# Altium PCB MMB_Controller_Board.pcbdoc (part 1 of 3) (continued)
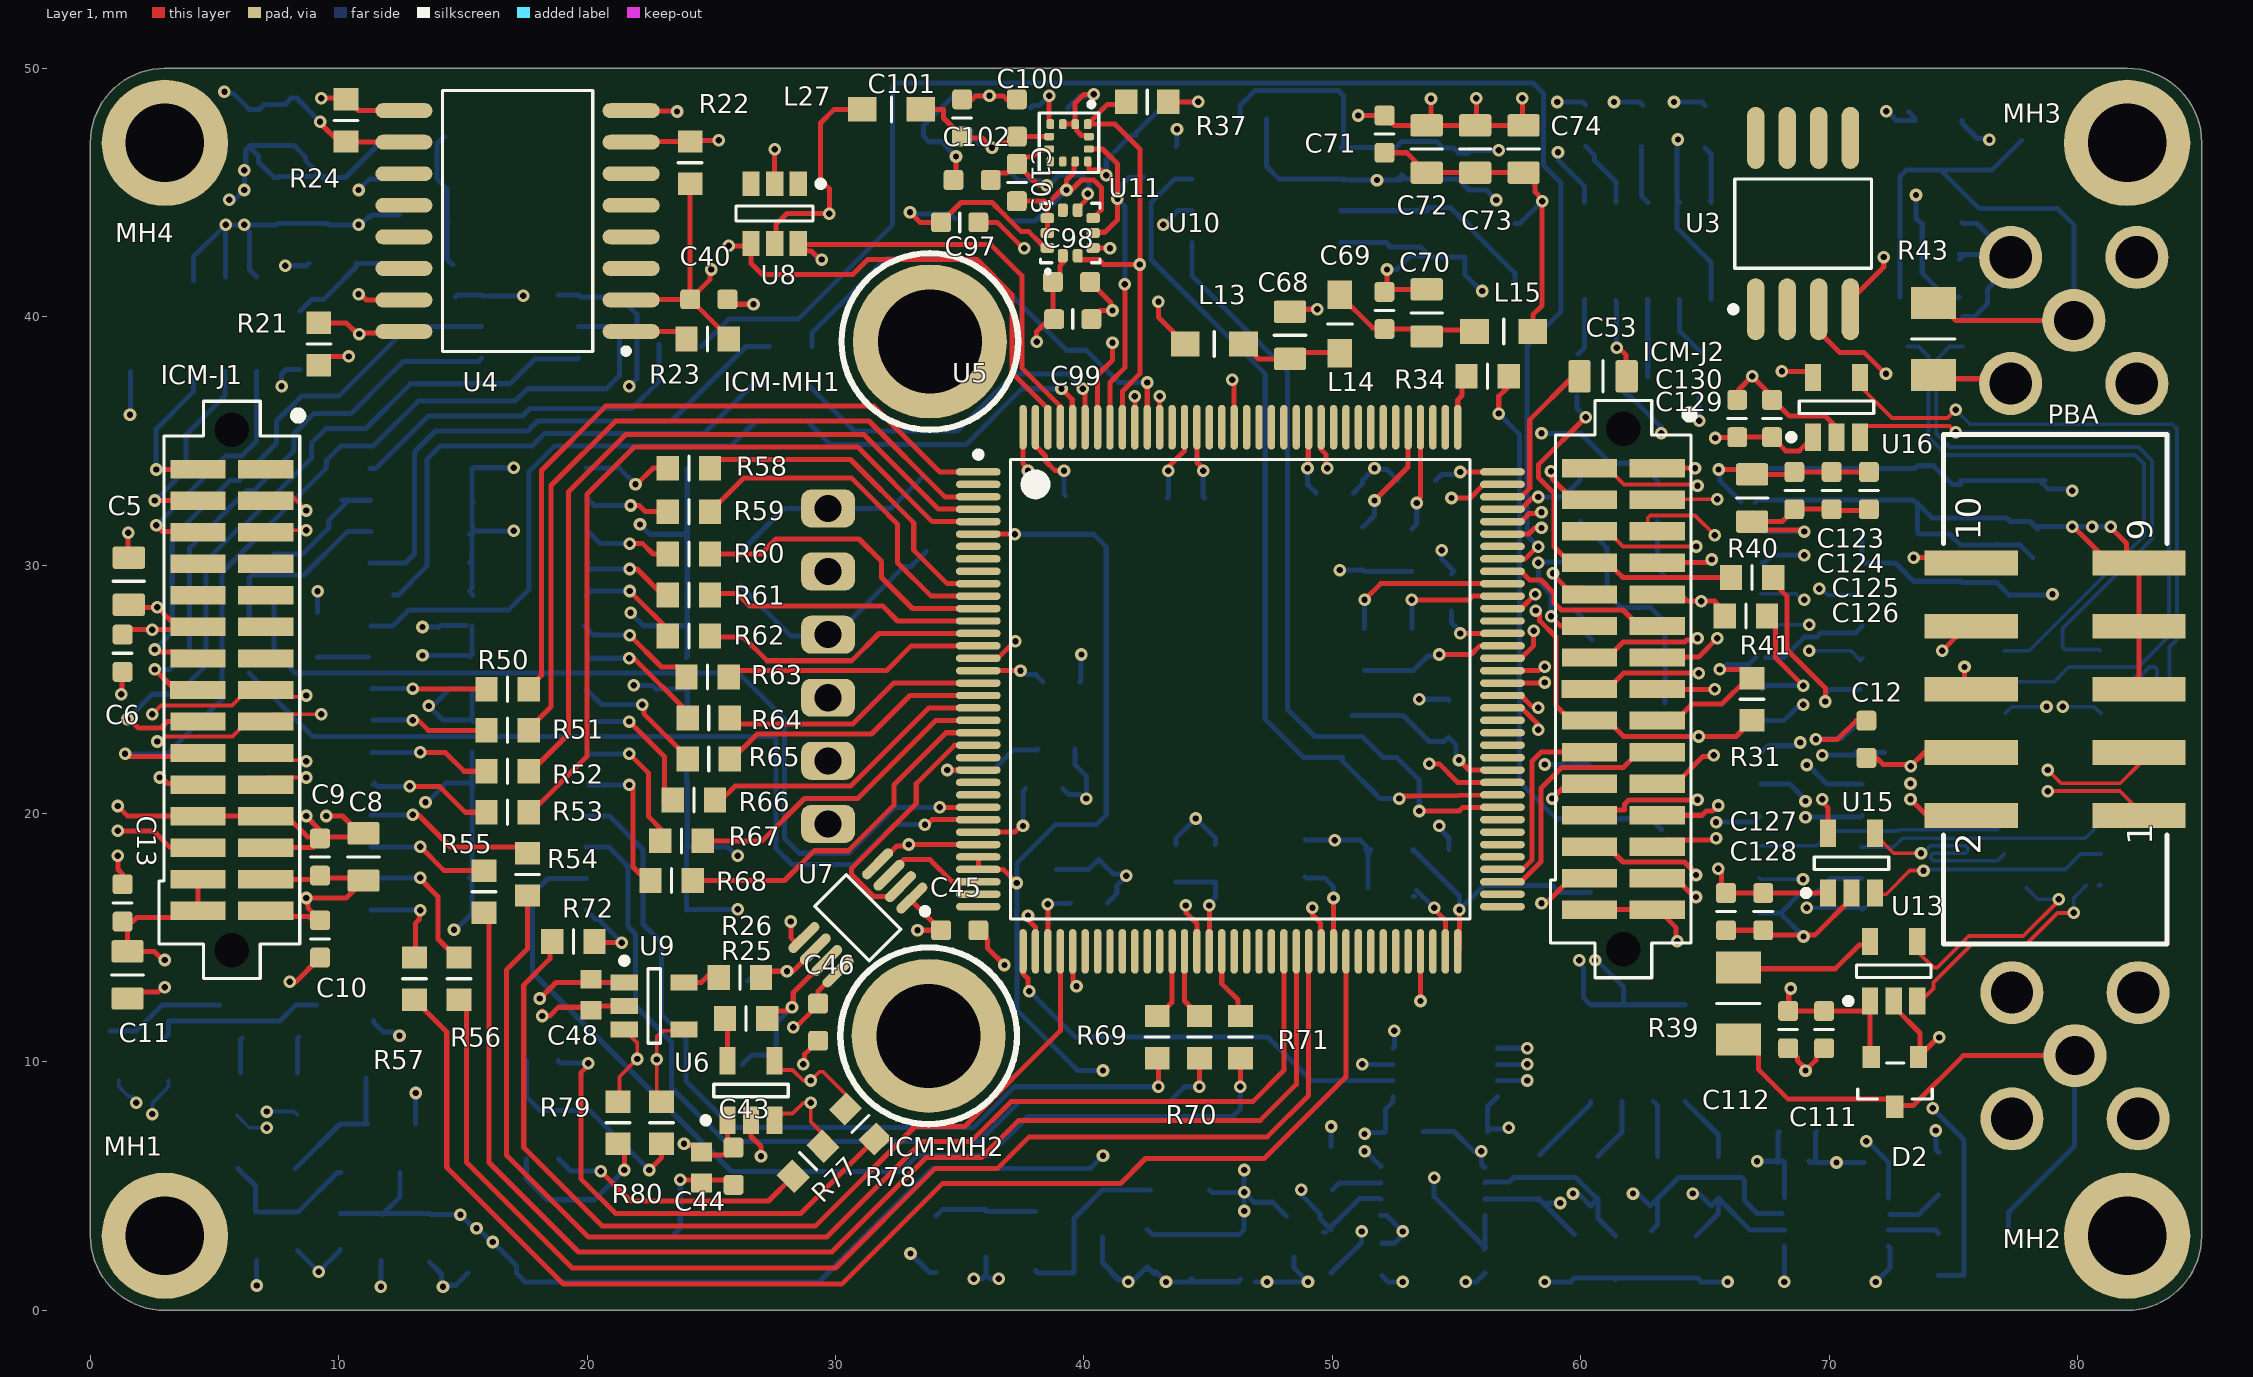
[diagram p0: Layer 1 view]
## Components (designator, comment, footprint, x,y, rotation, side; value= is the part's Value field where it differs from the comment)
C1 "0.1uF_603_50V" CAPC_0603 56.15,2 r90 bottom
C2 "0.1uF_603_50V" CAPC_0603 52,1.9 r90 bottom
C3 "0.1uF_603_50V" CAPC_0603 68.7,5.95 r180 bottom
C4 "0.1uF_603_50V" CAPC_0603 71.9,5.95 r0 bottom
C5 "10uF_805_10V" CAPC_0805 1.55,29.35 r270 top
C6 "0.1uF_603_50V" CAPC_0603 1.3,26.45 r90 top
C7 "0.1uF_603_50V" CAPC_0603 1.3,26.45 r90 bottom
C8 "10uF_805_10V" CAPC_0805 11,18.25 r270 top
C9 "0.1uF_603_50V" CAPC_0603 9.25,18.25 r270 top
C10 "0.1uF_603_50V" CAPC_0603 9.25,14.95 r90 top
C11 "10uF_805_10V" CAPC_0805 1.5,13.5 r90 top
C12 "0.1uF_603_50V" CAPC_0603 71.501,22.987 r270 top
C13 "0.1uF_603_50V" CAPC_0603 1.3,16.4 r270 top
C40 "0.1uF_603_50V" CAPC_0603 24.9,40.7 r0 top
C41 "0.1uF_603_50V" CAPC_0603 26.2,29.9 r270 bottom
C42 "10uF_1206_16V" CAPC_1206 33.655,32.385 r270 bottom
C43 "0.1uF_603_50V" CAPC_0603 25.9,5.8 r90 top
C44 "10nF" CAPC1608X90X35LL10T15 24.6,5.75 r90 top
C45 "0.1uF_603_50V" CAPC_0603 35,15.3 r180 top
C46 "0.1uF_603_50V" CAPC_0603 29.3,11.6 r90 top
C47 "0.1uF_603_50V" CAPC_0603 68.7,7.2 r180 bottom
C48 "10nF" CAPC1608X90X35LL10T15 20.15,12.7 r90 top
C49 "0.1uF_603_50V" CAPC_0603 38.9,22.6 r180 bottom
C50 "0.1uF_603_50V" CAPC_0603 40.6,18.9 r90 bottom
C51 "10uF_805_10V" CAPC_0805 38.9,18.7 r90 bottom
C52 "2.2uF_805_16V" CAPC_0805 52.3,16.8 r0 bottom
C53 "2.2uF_805_16V" CAPC_0805 60.9,37.6 r180 top
C54 "10uF_805_10V" CAPC_0805 52.3,18.7 r0 bottom
C55 "0.1uF_603_50V" CAPC_0603 45.3,18 r270 bottom
C56 "0.1uF_603_50V" CAPC_0603 43.7,18 r270 bottom
C57 "0.1uF_603_50V" CAPC_0603 39.1,25.3 r180 bottom
C58 "0.1uF_603_50V" CAPC_0603 40.2,16.4 r180 bottom
C59 "0.1uF_603_50V" CAPC_0603 38.5,32.8 r180 bottom
C60 "0.1uF_603_50V" CAPC_0603 53.4,33.4 r0 bottom
C61 "0.1uF_603_50V" CAPC_0603 54.7,17.8 r270 bottom
C62 "0.1uF_603_50V" CAPC_0603 48.9,18.2 r90 bottom
C63 "0.1uF_603_50V" CAPC_0603 54.7,23.8 r90 bottom
C64 "0.1uF_603_50V" CAPC_0603 54.8,28.9 r90 bottom
C65 "0.1uF_603_50V" CAPC_0603 50.1,32.9 r0 bottom
C66 "0.1uF_603_50V" CAPC_0603 44.1,32.7 r0 bottom
C67 "0.1uF_603_50V" CAPC_0603 38.4,21 r0 bottom
C68 "10uF_805_10V" CAPC_0805 48.3,39.25 r270 top
C69 "0.1uF_603_50V" CAPC_0603 52.1,40.25 r270 top
C70 "10uF_805_10V" CAPC_0805 53.8,40.15 r270 top
C71 "0.1uF_603_50V" CAPC_0603 52.1,47.35 r270 top
C72 "10uF_805_10V" CAPC_0805 53.8,46.75 r270 top
C73 "10uF_805_10V" CAPC_0805 55.75,46.75 r270 top
C74 "10uF_805_10V" CAPC_0805 57.7,46.75 r270 top
C75 "10uF_805_10V" CAPC_0805 9.75,42.15 r0 bottom
C76 "0.1uF_603_50V" CAPC_0603 13.2,45.55 r0 bottom
C77 "10uF_805_10V" CAPC_0805 13.4,43.85 r0 bottom
C78 "0.1uF_603_50V" CAPC_0603 6.4,47.6 r270 bottom
C79 "10uF_805_10V" CAPC_0805 9.5,44.7 r90 bottom
C80 "10uF_805_10V" CAPC_0805 7.55,44.7 r90 bottom
C81 "10uF_805_10V" CAPC_0805 8.1,47.85 r270 bottom
C82 "10uF_805_10V" CAPC_0805 12.1,7.5 r180 bottom
C83 "0.1uF_603_50V" CAPC_0603 8.35,3.2 r90 bottom
C84 "10uF_805_10V" CAPC_0805 6.65,3 r90 bottom
C85 "0.1uF_603_50V" CAPC_0603 10.05,3.2 r90 bottom
C86 "10uF_805_10V" CAPC_0805 13.65,2.95 r90 bottom
C87 "10uF_805_10V" CAPC_0805 16.2,1.5 r0 bottom
C88 "10uF_805_10V" CAPC_0805 11.75,2.95 r90 bottom
C89 "10uF_805_10V" CAPC_0805 36.05,3.1 r90 bottom
C90 "0.1uF_603_50V" CAPC_0603 40.35,1.5 r180 bottom
C91 "10uF_805_10V" CAPC_0805 40.75,3.9 r90 bottom
C92 "0.1uF_603_50V" CAPC_0603 42.55,2.5 r90 bottom
C93 "10uF_805_10V" CAPC_0805 48.15,2.8 r90 bottom
C94 "10uF_805_10V" CAPC_0805 44.323,2.286 r90 bottom
C95 "10uF_805_10V" CAPC_0805 46.228,2.286 r90 bottom
C96 "0.1uF_603_50V" CAPC_0603 34.8,44.7 r270 bottom
C97 "1.0uF_603_25V" CAPC_0603 35,43.8 r180 top
C98 "0.1uF_603_50V" CAPC_0603 39.5,41.4 r180 top
C99 "1.0uF_603_25V" CAPC_0603 39.55,39.9 r180 top
C100 "0.1uF_603_50V" CAPC_0603 37.3,48 r270 top
C101 "1.0uF_603_25V" CAPC_0603 35.1,48 r270 top
C102 "0.1uF_603_50V" CAPC_0603 35.5,45.5 r0 top
C103 "1.0uF_603_25V" CAPC_0603 37.3,45.4 r90 top
C104 "0.1uF_603_50V" CAPC_0603 38.6,48.4 r0 bottom
C105 "0.1uF_603_50V" CAPC_0603 52.8,46.3 r90 bottom
C106 "0.1uF_603_50V" CAPC_0603 54.2,46.3 r90 bottom
C107 "1.0uF_603_25V" CAPC_0603 55.5,45.85 r90 bottom
C108 "0.1uF_603_50V" CAPC_0603 52.3,43.6 r90 bottom
C109 "1.0uF_603_25V" CAPC_0603 55.35,43.15 r90 bottom
C110 "10uF_805_10V" CAPC_0805 53.9,43.4 r90 bottom
C111 "1.0uF_603_25V" CAPC_0603 69.8,11.3 r90 top
C112 "1000pF_603_50V" CAPC_0603 68.35,11.3 r90 top
C113 "1000pF_603_50V" CAPC_0603 74.5,42.5 r180 bottom
C114 "1.0uF_603_25V" CAPC_0603 74.5,43.75 r180 bottom
C115 "10uF_805_10V" CAPC_0805 78.486,32.446 r90 bottom
C116 "0.1uF_603_50V" CAPC_0603 73.55,33.25 r90 bottom
C117 "0.1uF_603_50V" CAPC_0603 76.75,32.65 r90 bottom
C118 "0.1uF_603_50V" CAPC_0603 75.3,32.65 r90 bottom
C119 "10uF_805_10V" CAPC_0805 73.6,30.3 r270 bottom
C120 "0.1uF_603_50V" CAPC_0603 75.3,30.05 r270 bottom
C121 "0.1uF_603_50V" CAPC_0603 76.75,30.05 r270 bottom
C122 "0.1uF_603_50V" CAPC_0603 78.2,29.55 r270 bottom
C123 "10uF_805_10V" CAPC_0805 66.9,32.7 r270 top
C124 "0.1uF_603_50V" CAPC_0603 68.6,33 r270 top
C125 "0.1uF_603_50V" CAPC_0603 70.1,33 r270 top
C126 "0.1uF_603_50V" CAPC_0603 71.6,33 r270 top
C127 "1.0uF_603_25V" CAPC_0603 65.85,16.05 r90 top
C128 "1000pF_603_50V" CAPC_0603 67.35,16.05 r90 top
C129 "1.0uF_603_25V" CAPC_0603 67.7,35.9 r270 top
C130 "1000pF_603_50V" CAPC_0603 66.3,35.9 r270 top
C131 "0.1uF_603_50V" CAPC_0603 55.5,7.2 r0 bottom
C132 "0.1uF_603_50V" CAPC_0603 52.9,7.2 r180 bottom
C133 "10uF_805_10V" CAPC_0805 37.1,44.8 r90 bottom
C134 "10uF_805_10V" CAPC_0805 34.5,47.5 r0 bottom
D2 "SBAT54SLT1G" SOT-23 72.65,9.2 r270 top
D3 "SBAT54SLT1G" SOT-23 74.4,46.9 r270 bottom
ICM-J1 "SFM-115-X2-XXX-D-A" SFM-115-X2-XXX-D-A 5.7,24.972 r90 top locked
ICM-J2 "SFM-115-X2-XXX-D-A" SFM-115-X2-XXX-D-A 61.715,25.01 r90 top locked
ICM-MH1 "Keystone 4883" "Keystone 4883 solder" 33.8,39 r90 top
ICM-MH2 "Keystone 4883" "Keystone 4883 solder" 33.75,11.05 r90 top
ID0 "R_ZERO_805" RES_0603 53.2,26.6 r270 bottom
ID1 "R_ZERO_805" RES_0603 51.3,26.6 r270 bottom
ID2 "R_ZERO_805" RES_0603 53.2,30.6 r270 bottom net-tie
ID3 "R_ZERO_805" RES_0603 51.3,30.6 r270 bottom
J2 "SMA TRIG" "SMA Vertical 200LS" 79.9,10.25 r180 bottom
J3 "SMA TIME" "SMA Vertical 200LS" 79.85,39.85 r180 bottom
L13 "4.0A_Bead_0805" SMD-0805 45.25,38.9 r0 top
L14 "4.0A_Bead_0805" SMD-0805 50.3,39.7 r90 top
L15 "4.0A_Bead_0805" SMD-0805 56.9,39.4 r0 top
L16 "4.0A_Bead_0805" SMD-0805 8.4,39.3 r90 bottom
L17 "4.0A_Bead_0805" SMD-0805 13.4,42.1 r0 bottom
L18 "4.0A_Bead_0805" SMD-0805 13.1,47.25 r180 bottom
L19 "4.0A_Bead_0805" SMD-0805 11.4,10.5 r270 bottom
L20 "4.0A_Bead_0805" SMD-0805 7.125,5.7 r180 bottom
L21 "4.0A_Bead_0805" SMD-0805 11.3,5.55 r0 bottom
L22 "4.0A_Bead_0805" SMD-0805 34.05,2.65 r90 bottom
L23 "4.0A_Bead_0805" SMD-0805 38.05,2.8 r270 bottom
L24 "4.0A_Bead_0805" SMD-0805 43.85,4.85 r0 bottom
L27 "2.5A_Bead_0805" SMD-0805 32.25,48.35 r180 top
L28 "2.5A_Bead_0805" SMD-0805 57.25,42.55 r90 bottom
MH1 "Mounting Hole" "Mounting Pad #4 - Standoff"#1 3,3 r0 top
MH2 "Mounting Hole" "Mounting Pad #4 - Standoff"#2 81.85,3.15 r0 top
MH3 "Mounting Hole" "Mounting Pad #4 - Standoff"#1 82,47 r0 top
MH4 "Mounting Hole" "Mounting Pad #4 - Standoff"#1 3,47 r0 top
P1 "Interlink Bypass" 62100821021 62.3,10.35 r0 bottom
P2 "ICM BYPASS" 62101021021 4.15,39.75 r0 bottom
P6 "ICM FPGA" 62101021021 62.7,42.65 r0 bottom
P9 "MCU_SER =UART8" "Header Male 6 Vert" 29.7,25.93 r180 bottom
P10 "61000618221" 61000618221 61.9,23.2 r90 bottom
P11 "XTIO ICM" 45230-220230 69.3,25 r270 bottom
P12 "XTIO MCU 1" 45230-220230 13.332,25.01 r270 bottom
P13 "TRIG_SEL" 62100821021 79,19 r90 bottom
P14 "TIME_SEL" 62100821021 79,24.655 r270 bottom
P15 "XTIO MCU 2" 45230-220230 22,25 r270 bottom
P16 "LVDS TERM" 62100421021 7.15,11.65 r90 bottom
P17 "LVDS TERM" 62100421021 18.2,8.05 r180 bottom
P33 "62130621021" 62130621021 17.7,39.6 r90 bottom
PBA "61201020621" 61201020621 79.1,25 r90 top
R1 "R_243_603_1%" RES_0603 58.3,5.35 r270 bottom
R2 "R_4.99K_603_1%" RES_0603 59.75,2.15 r90 bottom
R3 "R_243_603_1%" RES_0603 60.7,5.35 r270 bottom
R4 "R_243_603_1%" RES_0603 63.1,5.35 r270 bottom
R5 "R_4.99K_603_1%" RES_0603 61.4,2.15 r90 bottom
R6 "R_243_603_1%" RES_0603 65.55,5.35 r270 bottom
R7 "R_4.99K_603_1%" RES_0603 63.05,2.15 r90 bottom
R8 "R_4.99K_603_1%" RES_0603 64.7,2.15 r90 bottom
R11 "R_28.0_603_1%" RES_0603 59.85,37.65 r270 bottom
R12 "R_28.0_603_1%" RES_0603 60.15,47.65 r270 bottom
R13 "R_28.0_603_1%" RES_0603 62.45,47.65 r270 bottom
R14 "R_28.0_603_1%" RES_0603 62.3,37.2 r180 bottom
R15 "R_28.0_603_1%" RES_0603 64.85,37.65 r270 bottom
R16 "R_28.0_603_1%" RES_0603 65,47.65 r270 bottom
R21 "R_3.00K_603_1%" RES_0603 9.2,38.9 r270 top
R22 "R_3.00K_603_1%" RES_0603 24.15,46.2 r270 top
R23 "R_3.00K_603_1%" RES_0603 24.85,39.1 r0 top
R24 "R_3.00K_603_1%" RES_0603 10.3,47.9 r270 top
R25 "R_28.0_603_1%" RES_0603 26.4,11.75 r0 top
R26 "R_28.0_603_1%" RES_0603 26.15,13.4 r0 top
R27 "R_100K_603_1%" RES_0603 49.95,2.4 r90 bottom
R28 "R_100K_603_1%" RES_0603 49.95,5.75 r270 bottom
R29 "R_100K_603_1%" RES_0603 74.4,5.5 r270 bottom
R30 "R_100K_603_1%" RES_0603 74.4,2.25 r90 bottom
R31 "R_10.0K_603_1%" RES_0603 66.9,24.6 r90 top value=10.0K
R33 "R_39.2_603_1%" RES_0603 63.1,32.6 r270 bottom
R34 "R_39.2_603_1%" RES_0603 56.25,37.6 r0 top
R35 "R_39.2_603_1%" RES_0603 60,32.6 r270 bottom
R36 "R_39.2_603_1%" RES_0603 59.75,29.05 r270 bottom
R37 "R_2.00K_603_1%" RES_0603 42.55,48.65 r180 top
R38 "R_2.00K_603_1%" RES_0603 42.1,46.5 r270 bottom
R39 "R_49.9_1206_1%" RES_1206 66.35,12.35 r90 top
R40 "R_28.0_603_1%" RES_0603 66.9,29.5 r0 top
R41 "R_28.0_603_1%" RES_0603 66.65,27.95 r180 top
R42 "R_28.0_603_1%" RES_0603 23.8,38.9 r0 bottom
R43 "R_49.9_1206_1%" RES_1206 74.2,39.1 r90 top
R44 "R_28.0_603_1%" RES_0603 7.4,29.6 r270 bottom
R45 "R_28.0_603_1%" RES_0603 6.4,26.5 r270 bottom
R46 "R_28.0_603_1%" RES_0603 28.2,38.8 r0 bottom
R47 "R_28.0_603_1%" RES_0603 28,37.3 r0 bottom
R48 "R_28.0_603_1%" RES_0603 28,35.8 r0 bottom
R49 "R_28.0_603_1%" RES_0603 9.15,27.25 r90 bottom
R50 "R_28.0_603_1%" RES_0603 16.8,25 r0 top
R51 "R_28.0_603_1%" RES_0603 16.8,23.35 r0 top
R52 "R_28.0_603_1%" RES_0603 16.8,21.7 r0 top
R53 "R_28.0_603_1%" RES_0603 16.8,20.05 r0 top
R54 "R_28.0_603_1%" RES_0603 17.6,17.55 r270 top
R55 "R_28.0_603_1%" RES_0603 15.85,16.85 r270 top
R56 "R_28.0_603_1%" RES_0603 14.85,13.35 r270 top
R57 "R_28.0_603_1%" RES_0603 13.05,13.35 r270 top
R58 "R_28.0_603_1%" RES_0603 24.1,33.9 r0 top
R59 "R_28.0_603_1%" RES_0603 24.1,32.15 r0 top
R60 "R_28.0_603_1%" RES_0603 24.1,30.45 r0 top
R61 "R_28.0_603_1%" RES_0603 24.1,28.8 r0 top
R62 "R_28.0_603_1%" RES_0603 24.1,27.15 r0 top
R63 "R_28.0_603_1%" RES_0603 24.85,25.5 r0 top
R64 "R_28.0_603_1%" RES_0603 24.9,23.85 r0 top
R65 "R_28.0_603_1%" RES_0603 24.9,22.2 r0 top
R66 "R_28.0_603_1%" RES_0603 24.3,20.55 r0 top
R67 "R_28.0_603_1%" RES_0603 23.8,18.9 r0 top
R68 "R_28.0_603_1%" RES_0603 23.4,17.3 r0 top
R69 "R_28.0_603_1%" RES_0603 42.95,11 r90 top
R70 "R_28.0_603_1%" RES_0603 44.65,11 r90 top
R71 "R_28.0_603_1%" RES_0603 46.3,11 r90 top
R72 "R_28.0_603_1%" RES_0603 19.45,14.85 r180 top
R73 "R_49.9_603_1%" RES_0603 5.9,8.7 r90 bottom
R74 "R_49.9_603_1%" RES_0603 8.35,8.7 r270 bottom
R75 "R_49.9_603_1%" RES_0603 1.15,10.1 r90 bottom
R76 "R_49.9_603_1%" RES_0603 3.15,10.1 r270 bottom
R77 "R_49.9_603_1%" RES_0603 28.9,6 r225 top
R78 "R_49.9_603_1%" RES_0603 31,7.5 r135 top
R79 "R_49.9_603_1%" RES_0603 21.25,7.55 r270 top
R80 "R_49.9_603_1%" RES_0603 23,7.55 r90 top
R301 "R_2.00K_603_1%" RES_0603 52.1,23.1 r270 bottom
R302 "R_2.00K_603_1%" RES_0603 50.4,23.1 r270 bottom
TP1 "PC TEST POINT MINI SMD" "Test Point SM" 26.4,9.95 r0 bottom
TP2 "PC TEST POINT MINI SMD" "Test Point SM" 26.4,13.1 r90 bottom
TP3 "PC TEST POINT MINI SMD" "Test Point SM" 77.216,3.048 r90 bottom
TP4 "PC TEST POINT MINI SMD" "Test Point SM" 23.622,3.048 r0 bottom
TP5 "PC TEST POINT MINI SMD" "Test Point SM" 78.05,46.65 r90 bottom
U1 "SN74LVC2T45QDCURQ1" TI-DGK8_N 54.05,4.8 r0 bottom
U2 "SN74LVC2T45QDCURQ1" TI-DGK8_N 70.3,3.55 r180 bottom
U3 "DS24B33S+T&R" W8+2_M 68.95,43.75 r90 top
U4 "S25FS512SAGMFV010" MICT-SF-16_N 17.2,43.85 r180 top
U5 "STM32H743ZIT6" STM-LQFP144_N 46.3,25 r0 top
U6 "DS90LV012ATMF" MF05A_N 26.6,8.85 r90 top
U7 "SN74LVC2T45QDCURQ1" TI-DGK8_N 30.9,15.8 r225 top
U8 "NUP4301MR6T1G" ONSC-SC-74-6-318F-05_V 27.55,44.15 r270 top
U9 "DS90LV012ATMF" MF05A_N 22.7,12.25 r0 top
U10 "LPS22HDTR" HLGA-10L 39.45,43.37 r90 top
U11 "LIS3MDLTR" VFLGA-12 39.4,47 r270 top
U12 "ADXL355BEZ-RL7" E-14-1 47.35,44.9 r0 bottom
U13 "DS90LV012ATMF" MF05A_N 72.6,13.65 r90 top
U14 "DS90LV011ATMF" MF05A_N 74.05,39.85 r180 bottom
U15 "DS90LV012ATMF" MF05A_N 70.9,18 r90 top
U16 "DS90LV012ATMF" MF05A_N 70.3,36.35 r90 top
U17 "SN74LVC2T45QDCURQ1" TI-DGK8_N 54.55,9.575 r0 bottom

## Footprints (in the part's own frame and the unit in brackets; to place one, negate y for a bottom-side part, rotate by r counter-clockwise, add the part's x,y. Pads: shape width x height; smd on the part's side, far side on the other; paste and mask are expansions set on the pad)
45230-220230 [mil] "Shrouded header, 5x2, 452 series, through hole"
  rect 29x100 smd: 1(-350,-80) 2(-350,80) 3(-300,-80) 4(-300,80) 5(-250,-80) 6(-250,80) 7(-200,-80) 8(-200,80) 9(-150,-80) 10(-150,80) 11(-100,-80) 12(-100,80) 13(-50,-80) 14(-50,80) 15(0,-80) 16(0,80) 17(50,-80) 18(50,80) 19(100,-80) 20(100,80) 21(150,-80) 22(150,80) 23(200,-80) 24(200,80) 25(250,-80) 26(250,80) 27(300,-80) 28(300,80) 29(350,-80) 30(350,80)
  body extent -721,-115 721,115, height 272
61000618221 [mm] "Pin Header, pitch 2.54 mm, SMD, Vertical, single row, 6p"
  rect 1x3 smd: 1(-6.35,-1.5) 2(-3.81,1.5) 3(-1.27,-1.5) 4(1.27,1.5) 5(3.81,-1.5) 6(6.35,1.5)
  silkscreen extent -7.77,-1.35 7.77,1.34, body extent -7.62,-2.5 7.62,2.5, height 9.33
61201020621 [mm] "10 pins, SMT, straight, gold plating"
  rect 1x3.75 smd: 1(-5.08,-3.375) 2(-5.08,3.375) 3(-2.54,-3.375) 4(-2.54,3.375) 5(0,-3.375) 6(0,3.375) 7(2.54,-3.375) 8(2.54,3.375) 9(5.08,-3.375) 10(5.08,3.375)
  silkscreen extent -10.25,-4.5 10.25,4.5, body extent -10.16,-4.75 10.16,4.75, height 10.2
62100421021 [mm] "Pin Header, pitch 1.27 mm, SMD, Vertical, dual row, 4p"
  rect 0.75x2.4 smd: 1(-0.635,-1.95) 2(-0.635,1.95) 3(0.635,-1.95) 4(0.635,1.95)
  silkscreen extent -1.27,-1.7 1.27,1.7, body extent -1.27,-2.55 1.27,2.55, height 5.9
62100821021 [mm] "Pin Header, pitch 1.27 mm, SMD, Vertical, dual row, 8p"
  rect 0.75x2.4 smd: 1(-1.905,-1.95) 2(-1.905,1.95) 3(-0.635,-1.95) 4(-0.635,1.95) 5(0.635,-1.95) 6(0.635,1.95) 7(1.905,-1.95) 8(1.905,1.95)
  silkscreen extent -2.54,-1.7 2.54,1.7, body extent -2.54,-2.5 2.54,2.5, height 5.9
62101021021 [mm] "Pin Header, pitch 1.27 mm, SMD, Vertical, dual row, 10p"
  rect 0.75x2.4 smd: 1(-2.54,-1.95) 2(-2.54,1.95) 3(-1.27,-1.95) 4(-1.27,1.95) 5(0,-1.95) 6(0,1.95) 7(1.27,-1.95) 8(1.27,1.95) 9(2.54,-1.95) 10(2.54,1.95)
  silkscreen extent -3.17,-1.7 3.17,1.7, body extent -3.17,-2.5 3.18,2.5, height 5.9
62130621021 [mm] "Pin Header, pitch 1.27 mm, SMD, Vertical, dual row, 6p"
  rect 0.75x2.4 smd: 1(-1.27,-1.95) 2(-1.27,1.95) 3(0,-1.95) 4(0,1.95) 5(1.27,-1.95) 6(1.27,1.95)
  silkscreen extent -1.91,-1.7 1.91,1.7, body extent -1.91,-2.55 1.9,2.55, height 5.9
CAPC1608X90X35LL10T15 [mm] "Chip Capacitor, 2-Leads, Body 1.7x0.9mm, IPC High Density"
  rect 0.75x0.85 smd: 1(-0.625,0) 2(0.625,0)
  body extent -0.85,-0.45 0.85,0.45, height 0.9
CAPC_0603 [mm] "Chip Capacitor, Body 1.6x0.8mm, IPC Medium Density"
  rrect30% 0.8x0.8 smd: 1(-0.75,0) 2(0.75,0)
  body extent -0.87,-0.48 0.87,0.48, height 0.85
CAPC_0805 [mm]
  rrect20% 0.9x1.3 smd: 1(-0.95,0) 2(0.95,0)
  silkscreen extent 0,-0.64 0,0.64, body extent -1.1,-0.72 1.1,0.72, height 1.1
CAPC_1206 [mm]
  rect 1.3x1.8 smd: 1(-1.45,0) 2(1.45,0)
  silkscreen extent 0,-0.89 0,0.89, body extent -1.7,-0.9 1.7,0.9, height 1.35
E-14-1 [mm]
  rrect50% 2x0.6 smd: 1(-3,1.905) 2(-3,0.635) 3(-3,-0.635) 4(-3,-1.905) 8(3,-1.905) 9(3,-0.635) 10(3,0.635) 11(3,1.905)
  rrect50% 0.6x2 smd: 5(-1.27,-3) 6(0,-3) 7(1.27,-3) 12(1.27,3) 13(0,3) 14(-1.27,3)
  silkscreen extent -3.93,-3.05 3.05,3.05, body extent -2.99,-2.98 2.99,3, height 2.21
"Header Male 6 Vert" [mil]
  rrect50% 85x60 hole 43: 1(0,250) 2(0,150) 3(0,50) 4(0,-50) 5(0,-150) 6(0,-250)
  silkscreen extent -175,-350 100,350, body extent -160,-350 100,350, height 466
HLGA-10L [mm]
  rrect50% 0.55x0.4 smd mask+0.05: 1(-0.92,0.3) 2(-0.92,-0.3) 6(0.92,-0.3) 7(0.92,0.3)
  rrect50% 0.4x0.55 smd mask+0.05: 3(-0.6,-0.92) 4(0,-0.92) 5(0.6,-0.92) 8(0.6,0.92) 9(0,0.92) 10(-0.6,0.92)
  silkscreen extent -1.63,-1.2 1.2,1.2, body extent -1.02,-1 0.98,1, height 0.86
"Keystone 4883 solder" [mm]
  round 6.2 hole 4.191 paste+0: 1(0,0)
  silkscreen extent -3.56,-3.56 3.56,3.56, body extent -2.78,-2.78 2.78,2.78, height 6.36
MF05A_N [mm]
  rect 1.1x0.65 smd: 1(-1.2,0.95) 2(-1.2,0) 3(-1.2,-0.95) 4(1.2,-0.95) 5(1.2,0.95)
  silkscreen extent -1.32,-1.5 0.25,1.95, body extent -1.4,-1.45 1.4,1.45, height 1.45
MICT-SF-16_N [mm]
  oval 2.3x0.6 smd: 1(-4.575,4.445) 2(-4.575,3.175) 3(-4.575,1.905) 4(-4.575,0.635) 5(-4.575,-0.635) 6(-4.575,-1.905) 7(-4.575,-3.175) 8(-4.575,-4.445) 9(4.575,-4.445) 10(4.575,-3.175) 11(4.575,-1.905) 12(4.575,-0.635) 13(4.575,0.635) 14(4.575,1.905) 15(4.575,3.175) 16(4.575,4.445)
  silkscreen extent -4.47,-5.25 3.03,5.34, body extent -3.8,-5.25 3.8,5.25, height 1.04
"Mounting Pad #4 - Standoff"#1 [mm]
  round 5.08 hole 3.175 paste-3.175: 0(0,0)
"Mounting Pad #4 - Standoff"#2 [mm]
  round 5.08 hole 3.175 paste-3.175: 0(0.15,-0.15)
ONSC-SC-74-6-318F-05_V [mm]
  rect 1x0.7 smd: 1(-1.2,0.95) 2(-1.2,0) 3(-1.2,-0.95) 4(1.2,-0.95) 5(1.2,0) 6(1.2,0.95)
  silkscreen extent -1.32,-1.55 0.3,1.97, body extent -1.39,-1.5 1.38,1.5, height 0.97
RES_0603 [mm] "Chip Resistor, Body 1.6x0.8mm, IPC Medium Density"
  rect 0.9x1 smd: 1(-0.85,0) 2(0.85,0)
  body extent -0.85,-0.48 0.85,0.48, height 0.6
RES_1206 [mm]
  rect 1.3x1.8 smd: 1(-1.45,0) 2(1.45,0)
  silkscreen extent 0,-0.86 0,0.89, body extent -1.68,-0.87 1.68,0.87, height 0.71
SFM-115-X2-XXX-D-A [mil]
  rect 29x87.5 smd mask+2: 1(350,-53.75) 2(350,53.75) 3(300,-53.75) 4(300,53.75) 5(250,-53.75) 6(250,53.75) 7(200,-53.75) 8(200,53.75) 9(150,-53.75) 10(150,53.75) 11(100,-53.75) 12(100,53.75) 13(50,-53.75) 14(50,53.75) 15(0,-53.75) 16(0,54.13) 17(-50,-53.75) 18(-50,53.75) 19(-100,-53.75) 20(-100,53.75) 21(-150,-53.75) 22(-150,53.75) 23(-200,-53.75) 24(-200,53.75) 25(-250,-53.75) 26(-250,53.75) 27(-300,-53.75) 28(-300,53.75) 29(-350,-53.75) 30(-350,53.75)
  round 0 hole 55 unplated: MH1(412.5,0) MH2(-412.5,0)
  silkscreen extent -457,-110 457,116, body extent -438,-81 437,85, height 191
"SMA Vertical 200LS" [mil]
  round 100 hole 62: 1(0,0)
  round 100 hole 67: 2(100,100) 3(100,-100) 4(-100,-100) 5(-100,100)
  silkscreen extent -125,-125 125,125, body extent -120,-120 120,120, height 335
SMD-0805 [mm]
  rect 1.15x1 smd: 1(-1.175,0) 2(1.175,0)
  silkscreen extent 0,-0.5 0,0.5, body extent -1,-0.6 1,0.6, height 0.89
SOT-23 [mm]
  rect 0.9x0.7 smd: 1(-1,0.95) 2(-1,-0.95) 3(1,0)
  silkscreen extent -0.76,-1.5 0.7,1.5, body extent -1.14,-1.4 1.14,1.4, height 0.76
STM-LQFP144_N [mm]
  oval 1.8x0.3 smd: 1(-10.55,8.75) 2(-10.55,8.25) 3(-10.55,7.75) 4(-10.55,7.25) 5(-10.55,6.75) 6(-10.55,6.25) 7(-10.55,5.75) 8(-10.55,5.25) 9(-10.55,4.75) 10(-10.55,4.25) 11(-10.55,3.75) 12(-10.55,3.25) 13(-10.55,2.75) 14(-10.55,2.25) 15(-10.55,1.75) 16(-10.55,1.25) 17(-10.55,0.75) 18(-10.55,0.25) 19(-10.55,-0.25) 20(-10.55,-0.75) 21(-10.55,-1.25) 22(-10.55,-1.75) 23(-10.55,-2.25) 24(-10.55,-2.75) 25(-10.55,-3.25) 26(-10.55,-3.75) 27(-10.55,-4.25) 28(-10.55,-4.75) 29(-10.55,-5.25) 30(-10.55,-5.75) 31(-10.55,-6.25) 32(-10.55,-6.75) 33(-10.55,-7.25) 34(-10.55,-7.75) 35(-10.55,-8.25) 36(-10.55,-8.75) 73(10.55,-8.75) 74(10.55,-8.25) 75(10.55,-7.75) 76(10.55,-7.25) 77(10.55,-6.75) 78(10.55,-6.25) 79(10.55,-5.75) 80(10.55,-5.25) 81(10.55,-4.75) 82(10.55,-4.25) 83(10.55,-3.75) 84(10.55,-3.25) 85(10.55,-2.75) 86(10.55,-2.25) 87(10.55,-1.75) 88(10.55,-1.25) 89(10.55,-0.75) 90(10.55,-0.25) 91(10.55,0.25) 92(10.55,0.75) 93(10.55,1.25) 94(10.55,1.75) 95(10.55,2.25) 96(10.55,2.75) 97(10.55,3.25) 98(10.55,3.75) 99(10.55,4.25) 100(10.55,4.75) 101(10.55,5.25) 102(10.55,5.75) 103(10.55,6.25) 104(10.55,6.75) 105(10.55,7.25) 106(10.55,7.75) 107(10.55,8.25) 108(10.55,8.75)
  oval 0.3x1.8 smd: 37(-8.75,-10.55) 38(-8.25,-10.55) 39(-7.75,-10.55) 40(-7.25,-10.55) 41(-6.75,-10.55) 42(-6.25,-10.55) 43(-5.75,-10.55) 44(-5.25,-10.55) 45(-4.75,-10.55) 46(-4.25,-10.55) 47(-3.75,-10.55) 48(-3.25,-10.55) 49(-2.75,-10.55) 50(-2.25,-10.55) 51(-1.75,-10.55) 52(-1.25,-10.55) 53(-0.75,-10.55) 54(-0.25,-10.55) 55(0.25,-10.55) 56(0.75,-10.55) 57(1.25,-10.55) 58(1.75,-10.55) 59(2.25,-10.55) 60(2.75,-10.55) 61(3.25,-10.55) 62(3.75,-10.55) 63(4.25,-10.55) 64(4.75,-10.55) 65(5.25,-10.55) 66(5.75,-10.55) 67(6.25,-10.55) 68(6.75,-10.55) 69(7.25,-10.55) 70(7.75,-10.55) 71(8.25,-10.55) 72(8.75,-10.55) 109(8.75,10.55) 110(8.25,10.55) 111(7.75,10.55) 112(7.25,10.55) 113(6.75,10.55) 114(6.25,10.55) 115(5.75,10.55) 116(5.25,10.55) 117(4.75,10.55) 118(4.25,10.55) 119(3.75,10.55) 120(3.25,10.55) 121(2.75,10.55) 122(2.25,10.55) 123(1.75,10.55) 124(1.25,10.55) 125(0.75,10.55) 126(0.25,10.55) 127(-0.25,10.55) 128(-0.75,10.55) 129(-1.25,10.55) 130(-1.75,10.55) 131(-2.25,10.55) 132(-2.75,10.55) 133(-3.25,10.55) 134(-3.75,10.55) 135(-4.25,10.55) 136(-4.75,10.55) 137(-5.25,10.55) 138(-5.75,10.55) 139(-6.25,10.55) 140(-6.75,10.55) 141(-7.25,10.55) 142(-7.75,10.55) 143(-8.25,10.55) 144(-8.75,10.55)